# Altium PCB UV_Disinfection_Hw00.PcbDoc
Units mil, origin at the board's own origin, x right, y up, seen from the top; angles counter-clockwise.
Board outline 2795.28 x 2677.17 mil, 2 copper layers (Top Layer, Bottom Layer); 66 components, 66 nets, 232 pads, 172 vias.
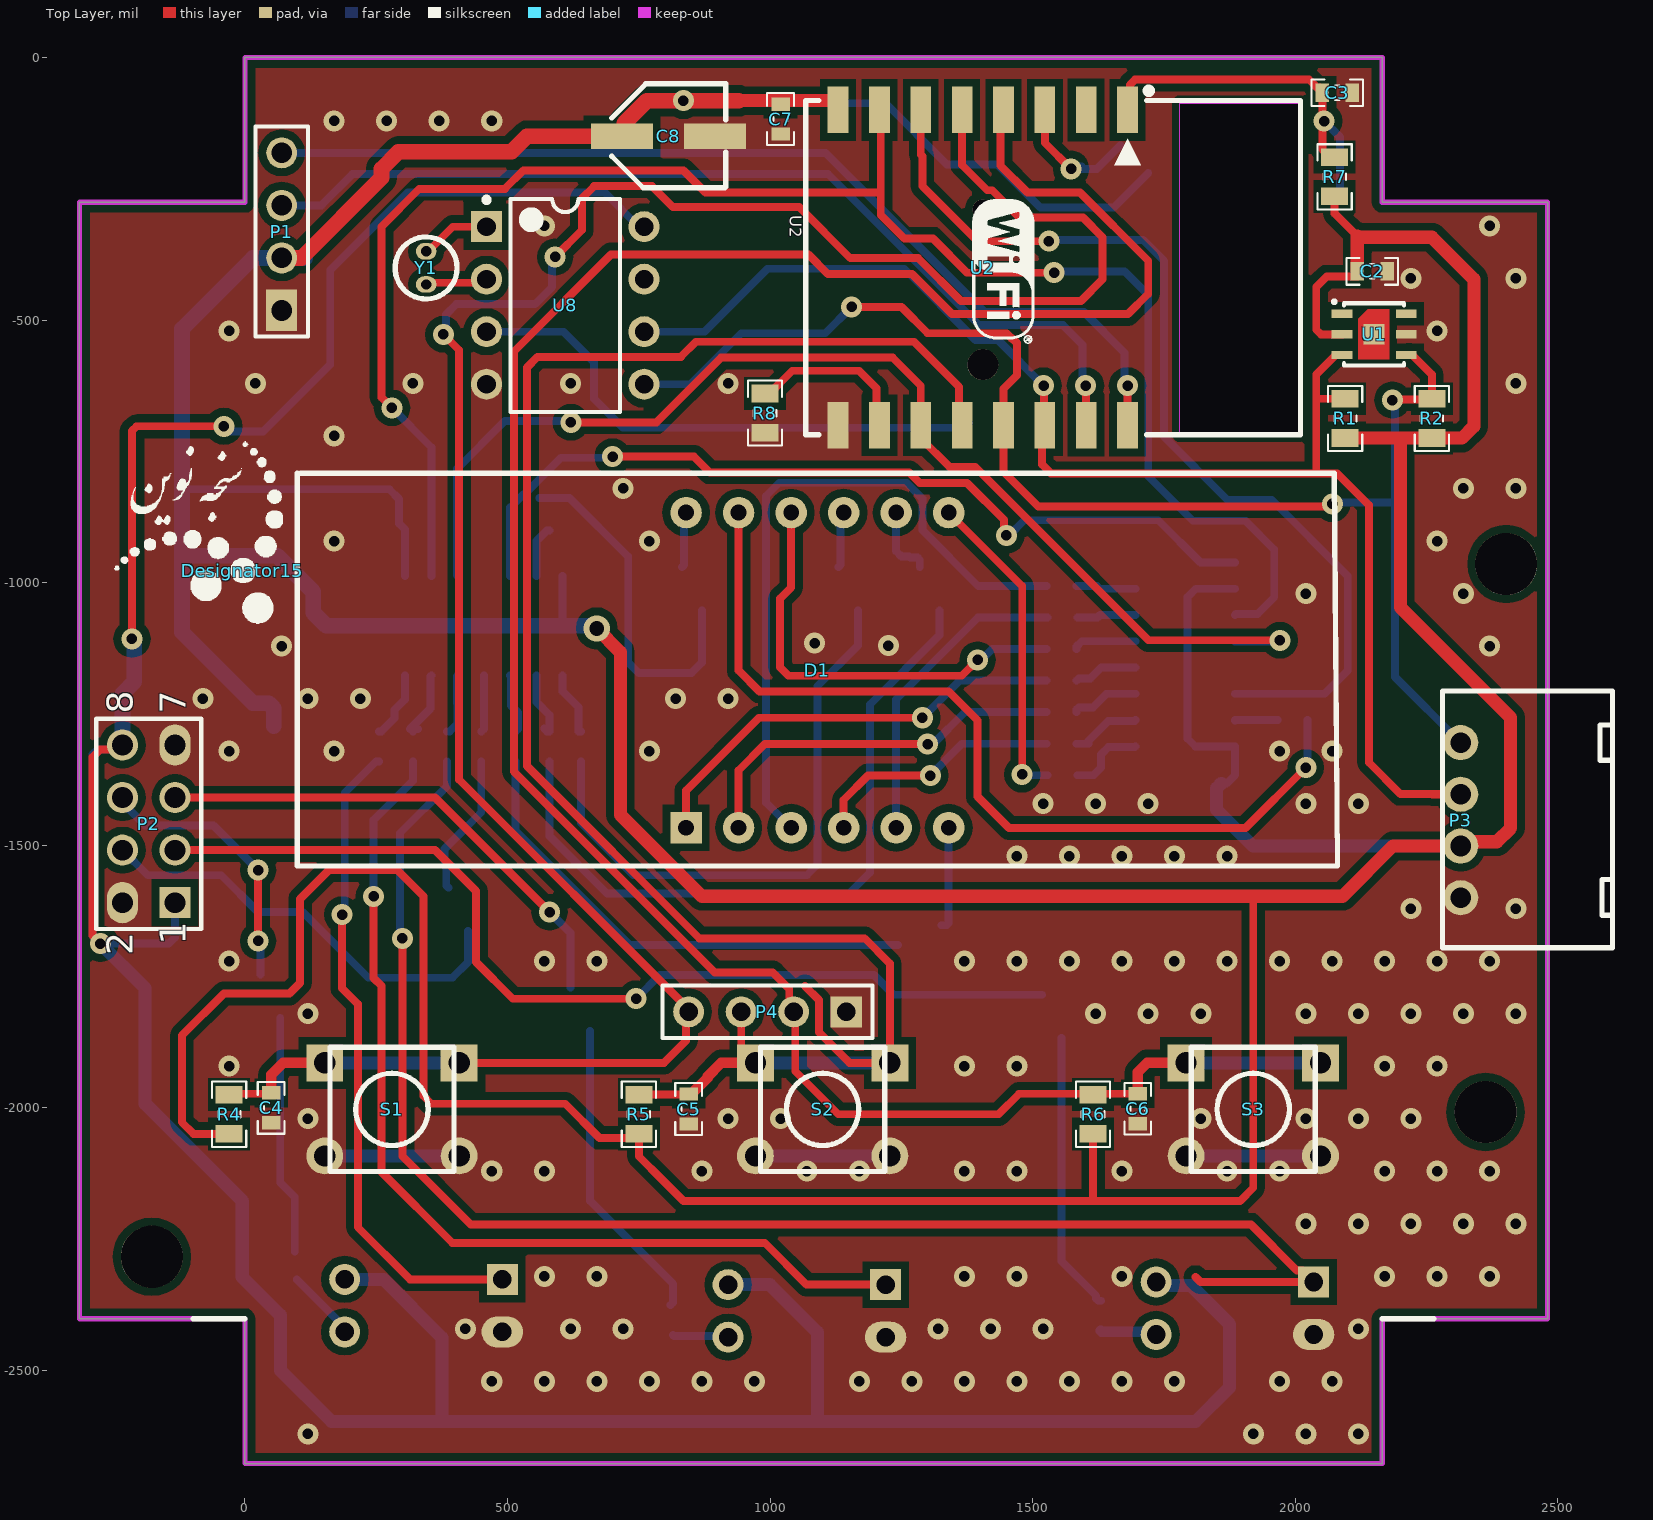
[diagram p0: Top Layer view]
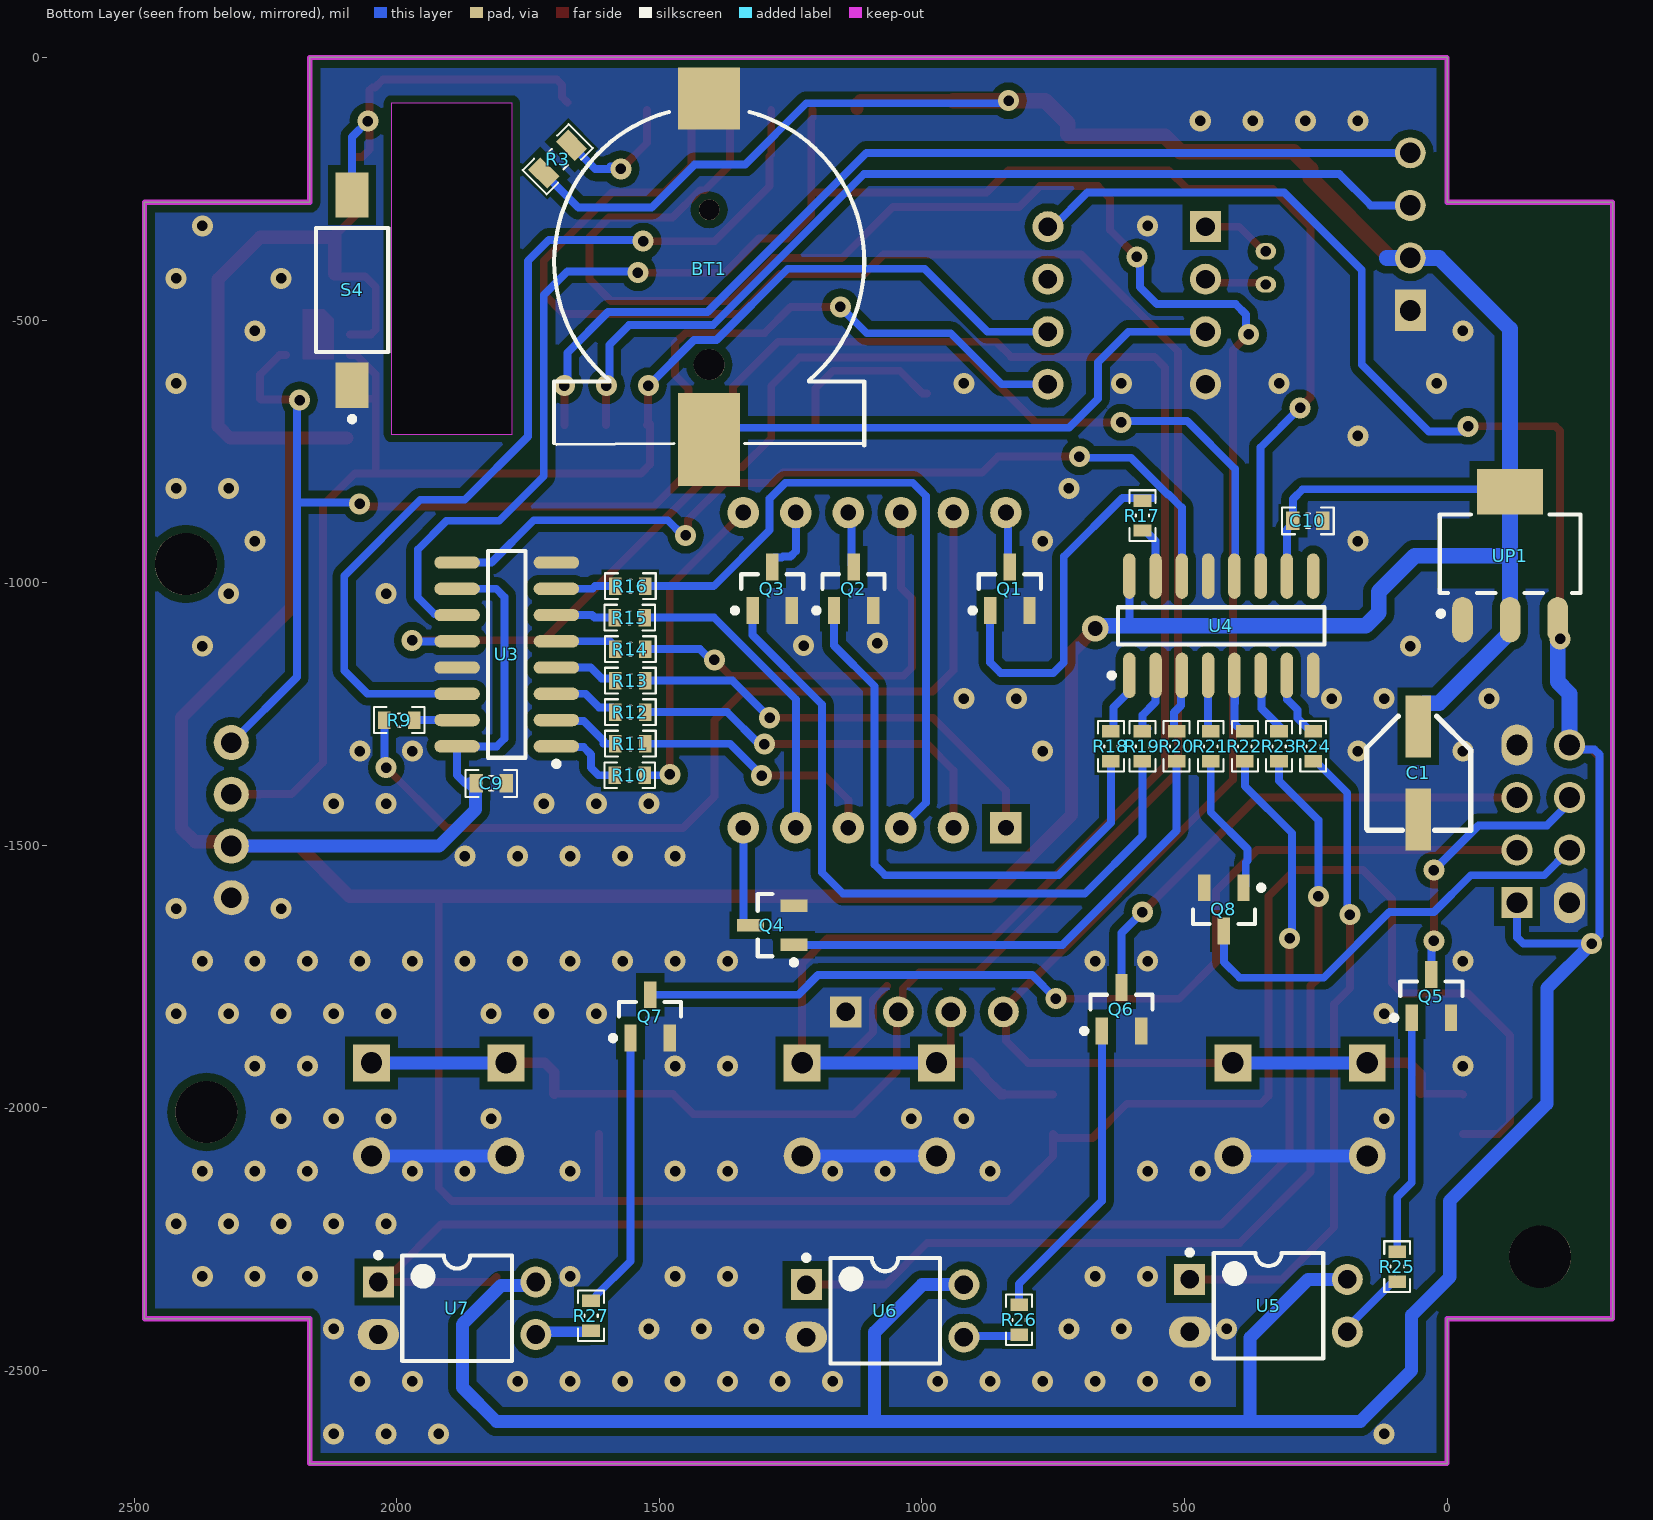
[diagram p1: Bottom Layer view, seen from below]
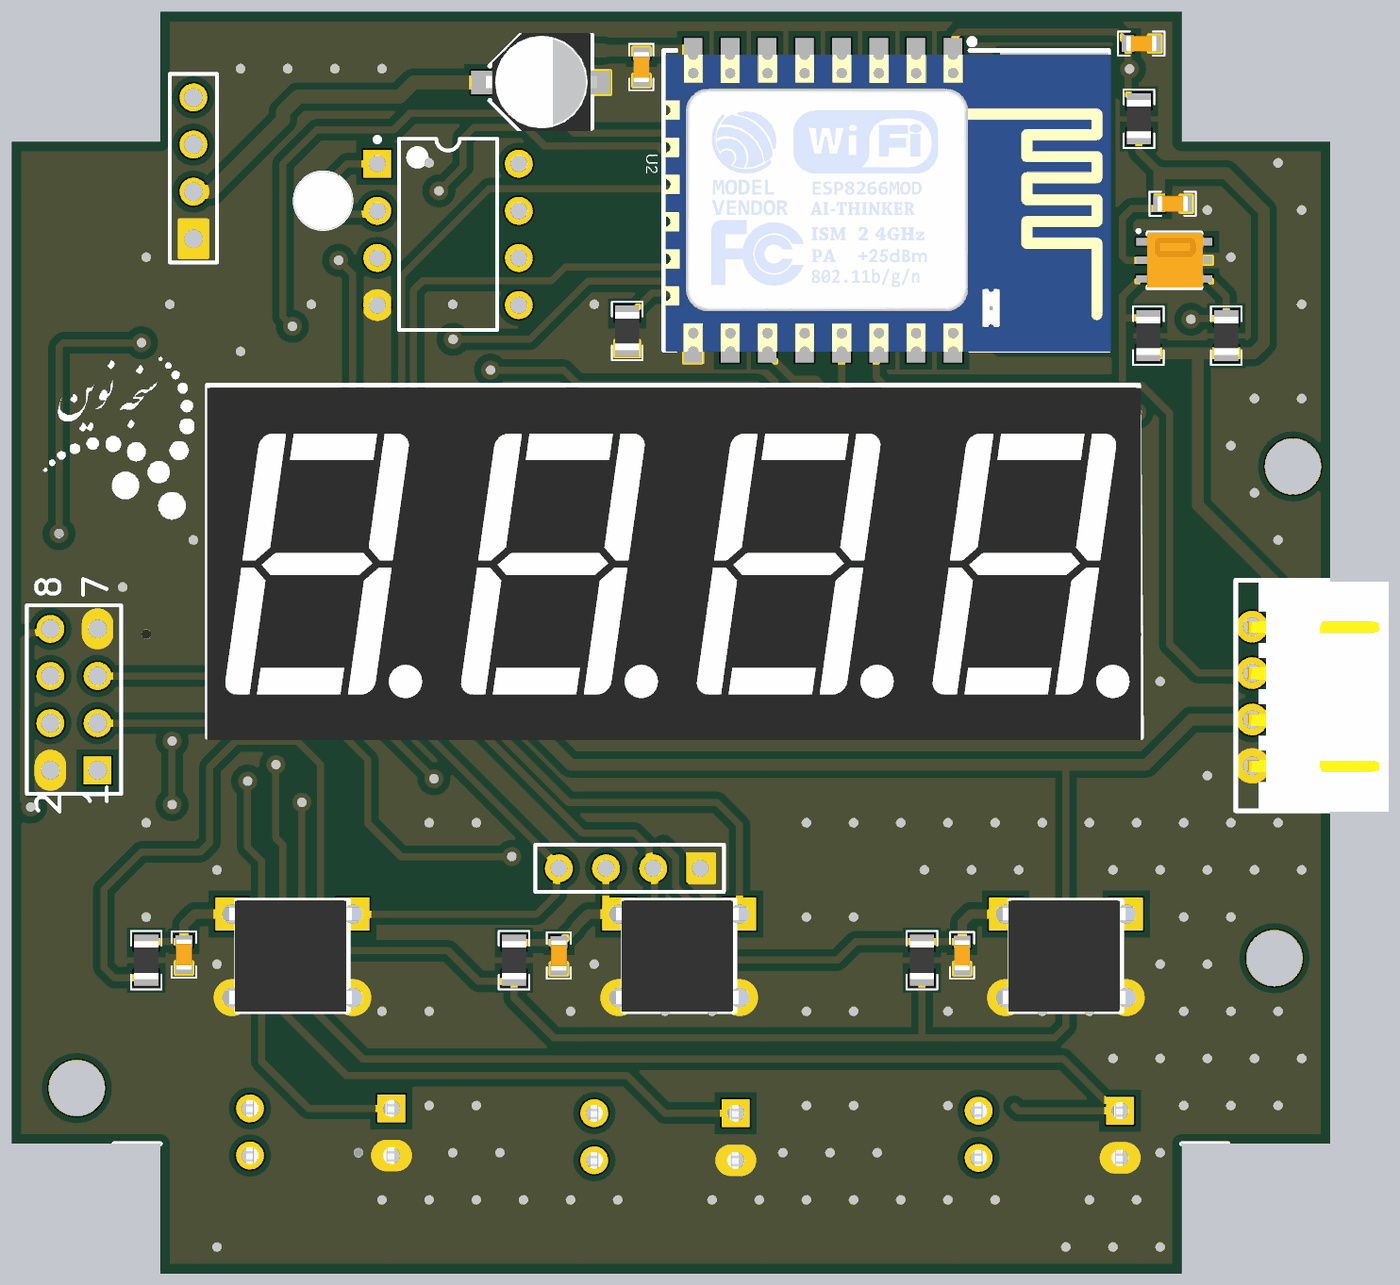
[diagram p2: 3D render of the assembled board from above, using the file's embedded part models]
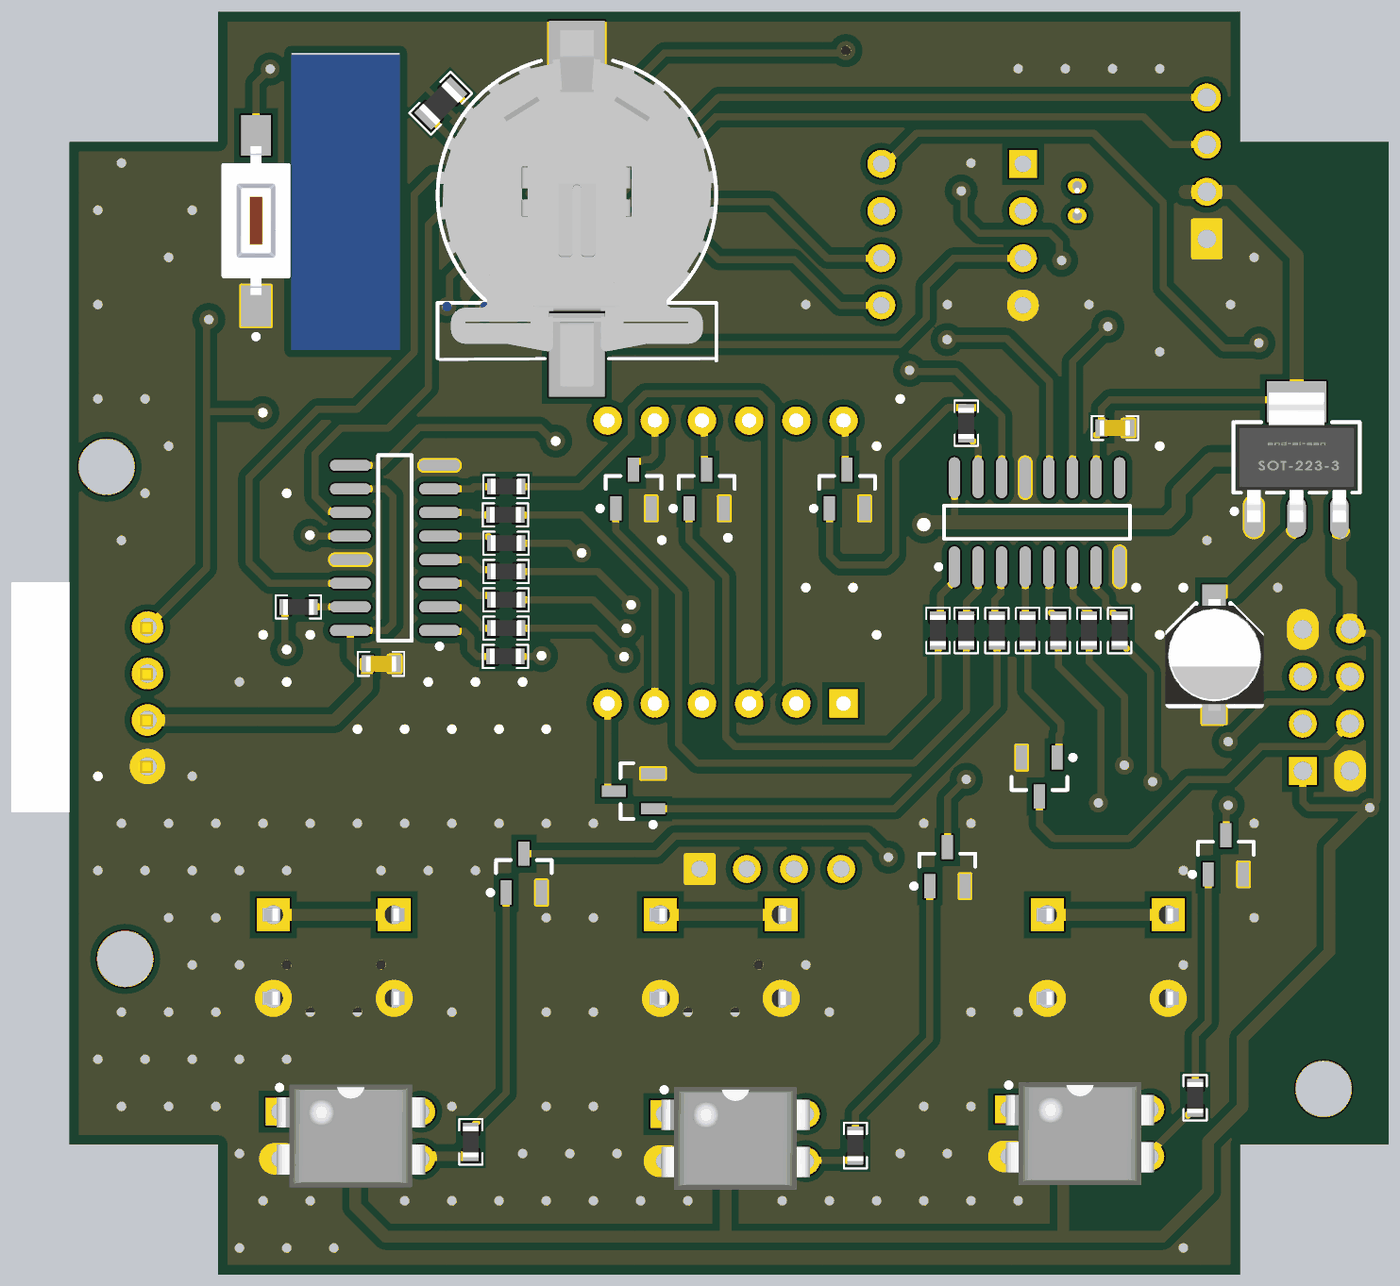
[diagram p3: 3D render of the assembled board from below, using the file's embedded part models]

## Layer stack, top to bottom
Top Solder: solder mask 0.4, Solder Resist, Dk 3.5
Top Layer: signal copper 1.4
Dielectric 1: dielectric 12.6, FR-4, Dk 4.8
Bottom Layer: signal copper 1.4
Bottom Solder: solder mask 0.4, Solder Resist, Dk 3.5

## Board outline
-314.96,-2401.57 -314.96,-275.59 0,-275.59 0,0 2165.35,0 2165.35,-275.59 2480.31,-275.59 2480.31,-2401.57 2165.35,-2401.57 2165.35,-2677.17 0,-2677.17 0,-2401.57
cut-out: 1780,-87.17 2010,-87.17 2010,-717.17 1780,-717.17

## Design rules (kind name [scope] priority, off if disabled: settings)
Clearance [InNet('GND')] p1: gap=15 ignorepadtopadclearanceinfootprint=TRUE
Clearance Clearance_1 [All] p2: gap=10 ignorepadtopadclearanceinfootprint=FALSE
ComponentClearance [All] p1 off: gap=10 collisioncheckmode=3 verticalgap=10 showdistances=FALSE
HoleSize [All] p1: absolutevalues=TRUE maxlimit=1000 minlimit=1 maxpercent=80.000 minpercent=20.000
PlaneConnect [All] p1: planeconnectstyle=Direct reliefexpansion=20 reliefentries=4 reliefconductorwidth=10 reliefairgap=10
PolygonConnect [All] p1: connectstyle=Direct reliefconductorwidth=10 reliefentries=4 polygonreliefangle="90 Angle" airgapwidth=10
RoutingVias [All] p1: holewidth=20 width=40 viastyle="Through Hole" minholewidth=20 minwidth=40 maxholewidth=28 maxwidth=50
SolderMaskExpansion [All] p1: expansion=4 istentingtop=FALSE
Width [All] p1: maxlimit=200 minlimit=10 preferedwidth=15 minimp=50.000000 maximp=50.000000 favimp=50.000000
27 further rules are at their usual default settings.

## Components (designator, comment, footprint, x,y, rotation, side; value= is the part's Value field where it differs from the comment)
BT1 "BAT3V" BTH1220_smd 1405,-440 r90 bottom
C1 "10uF/16V" CAP_EL_SMD_4x5.3 55,-1362.17 r270 bottom
C2 "100nF" CAP0603 2146.46,-407.17 r180 top
C3 "100nF" CAP0603 2080,-67.17 r180 top
C4 "100nF" CAP0603 50.04,-2000.12 r90 top
C5 "100nF" CAP0603 845,-2002.17 r90 top
C6 "100nF" CAP0603 1700.04,-2001.57 r90 top
C7 "100nF" CAP0603 1020,-117.17 r90 top
C8 "100uF/10V" CAP_EL_SMD_4x5.3 806.42,-150 r0 top
C9 "100nF" CAP0603 1820,-1382.17 r180 bottom
C10 "100nF" CAP0603 265,-882.17 r180 bottom
D1 "smn-5641ah" 7SEG-4DIGIT-50X19 1090.04,-1166.58 r0 top
Designator15 "Comment" LOGO_PARS_TOP -5,-977.17 r0 top
P1 "Header 4" HDR1X4#1 70.13,-481.57 r90 top
P2 "Header 4X2" HDR2X4 -133.11,-1609.17 r90 top
P3 "Header 4" XH-4PIN-RA 2315,-1452.17 r90 top
P4 "Keypad" HDR1X4#2 1145,-1817.17 r180 top
Q1 "MMBT3904" SOT23_N 832.6,-1011.57 r90 bottom
Q2 "MMBT3904" SOT23_N 1130.04,-1011.57 r90 bottom
Q3 "MMBT3904" SOT23_N 1285.04,-1011.57 r90 bottom
Q4 "MMBT3904" SOT23_N 1285,-1652.17 r0 bottom
Q5 "MMBT3904" SOT23_N 30,-1787.17 r90 bottom
Q6 "MMBT3904" SOT23_N 620,-1812.17 r90 bottom
Q7 "MMBT3904" SOT23_N 1517.4,-1825.83 r90 bottom
Q8 "MMBT3904" SOT23_N 425,-1622.17 r270 bottom
R1 "10k" RES0805 2095,-687.17 r270 top
R2 "10k" RES0805 2260,-687.17 r270 top
R3 "10k" RES0805 1693.55,-193.55 r315 bottom
R4 "10k" RES0805 -29.96,-2012.17 r270 top
R5 "10k" RES0805 750.04,-2012.17 r270 top
R6 "10k" RES0805 1615,-2012.17 r270 top
R7 "10k" RES0805 2075,-227.17 r270 top
R8 "10k" RES0805 990,-677.17 r90 top
R9 "220" RES0603 1995.04,-1261.57 r180 bottom
R10 "220" RES0603 1556.5,-1366.57 r0 bottom
R11 "220" RES0603 1555.04,-1306.57 r0 bottom
R12 "220" RES0603 1555.04,-1246.57 r0 bottom
R13 "220" RES0603 1555.04,-1186.57 r0 bottom
R14 "220" RES0603 1555.04,-1126.57 r0 bottom
R15 "220" RES0603 1556.5,-1066.57 r0 bottom
R16 "220" RES0603 1555.04,-1006.57 r0 bottom
R17 "220" RES0603 580,-872.17 r270 bottom
R18 "220" RES0603 640.04,-1311.57 r90 bottom
R19 "220" RES0603 580.04,-1311.57 r90 bottom
R20 "220" RES0603 515.04,-1311.57 r90 bottom
R21 "220" RES0603 450.04,-1311.57 r90 bottom
R22 "220" RES0603 385.04,-1311.57 r90 bottom
R23 "220" RES0603 320.04,-1311.57 r90 bottom
R24 "220" RES0603 255.04,-1311.58 r90 bottom
R25 "220" RES0603 95,-2302.17 r90 bottom
R26 "220" RES0603 815,-2403.62 r90 bottom
R27 "220" RES0603 1630,-2395.71 r90 bottom
S1 "SW-PB" SW-4PIN 280.04,-2002.87 r180 top
S2 "SW-PB" SW-4PIN 1100.04,-2002.87 r180 top
S3 "SW-PB" SW-4PIN 1920.04,-2002.87 r180 top
S4 "SW-PB" SW-2PIN-SMD 2085,-442.17 r90 bottom
U1 "SHT20" SHT20 2150,-527.17 r270 top
U2 "ESP8266 ESP_12" "ESP8266 ESP_12" 1405,-400 r270 top
U3 "MC74VHC595D" 751B-05_N 1790.55,-1136.57 r0 bottom
U4 "MC74VHC595D" 751B-05_N 430.04,-1082.09 r90 bottom
U5 "Optoisolator1" DIP_4 490.04,-2326.57 r180 bottom
U6 "Optoisolator1" DIP_4 1220.04,-2336.57 r180 bottom
U7 "Optoisolator1" DIP_4 2035.04,-2331.57 r180 bottom
U8 "DS1307" DIP-8 610,-472.17 r0 top
UP1 "LM1117IMP-x.x" SOT223_4 -119.96,-944.69 r90 bottom
Y1 "XTAL" Crystal_NC308 345,-400.67 r90 top
